# Altium PCB BRG_Chip_Tester.PcbDoc (part 1 of 2) (continued)
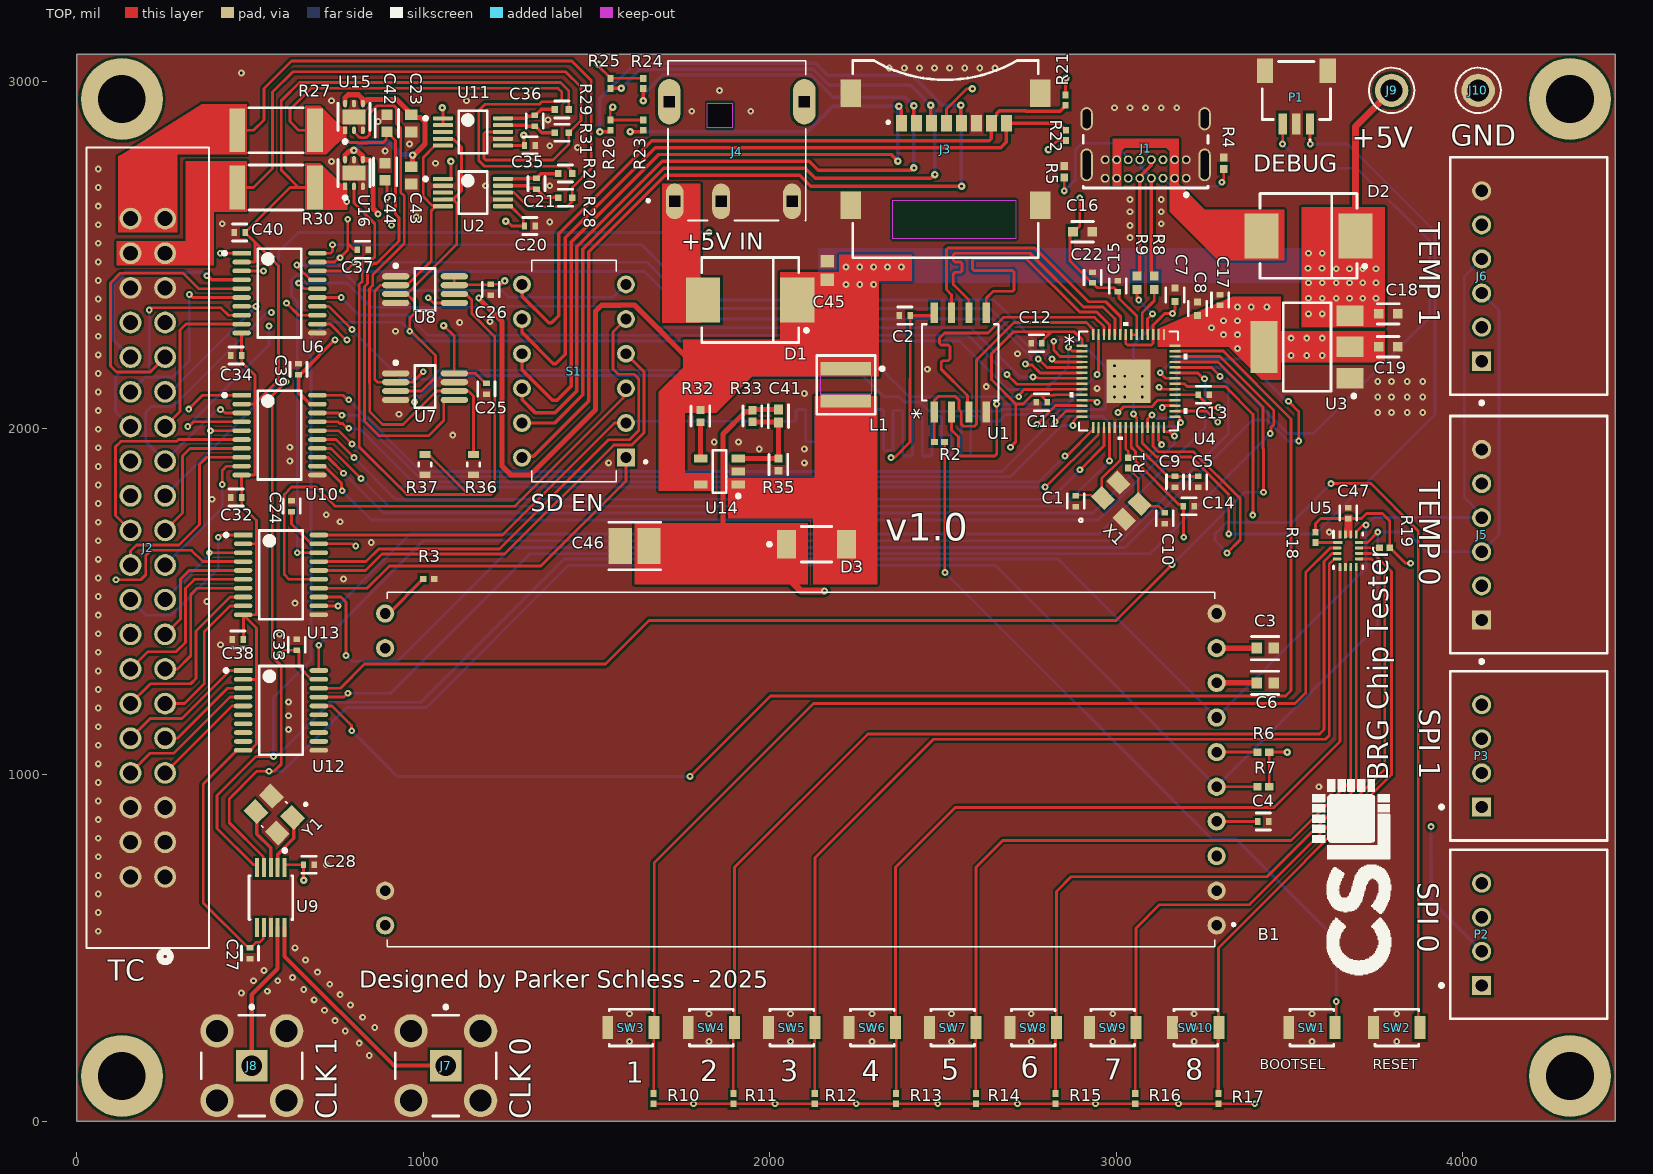
[diagram p0: TOP view]
## Footprints (in the part's own frame and the unit in brackets; to place one, negate y for a bottom-side part, rotate by r counter-clockwise, add the part's x,y. Pads: shape width x height; smd on the part's side, far side on the other; paste and mask are expansions set on the pad)
ABM8-272-T3_ABR [mm]
  rect 1.1x1.4 smd paste+0 mask+0: 1(-0.8,1.1) 2(-0.8,-1.1) 3(0.8,-1.1) 4(0.8,1.1)
  silkscreen extent -3.23,0.97 -2.97,1.23, body extent -1.35,-1.7 1.35,1.7, height 0.76
CAPC1608X87X35LL15T15 [mm] "Chip Capacitor, 2-Leads, Body 1.60x0.80mm, IPC High Density"
  rect 0.8x0.9 smd: 1(-0.625,0) 2(0.625,0)
  body extent -0.87,-0.48 0.87,0.48, height 0.87
CAPC1608X87X35NL15T15 [mm] "Chip Capacitor, 2-Leads, Body 1.60x0.80mm, IPC Medium Density"
  rect 0.9x1 smd: 1(-0.675,0) 2(0.675,0)
  body extent -0.87,-0.48 0.87,0.47, height 0.87
CONN_3020-40-0100-00_CNC [mil]
  round 63 / inner round 60 / far side round 63 hole 43 paste-99999 mask-31.5: 1(0,0) 2(0,100) 3(100,0) 4(100,100) 5(200,0) 6(200,100) 7(300,0) 8(300,100) 9(400,0) 10(400,100) 11(500,0) 12(500,100) 13(600,0) 14(600,100) 15(700,0) 16(700,100) 17(800,0) 18(800,100) 19(900,0) 20(900,100) 21(1000,0) 22(1000,100) 23(1100,0) 24(1100,100) 25(1200,0) 26(1200,100) 27(1300,0) 28(1300,100) 29(1400,0) 30(1400,100) 31(1500,0) 32(1500,100) 33(1600,0) 34(1600,100) 35(1700,0) 36(1700,100) 37(1800,0) 38(1800,100) 39(1900,0) 40(1900,100)
  silkscreen extent -245,-127 2105,227, body extent -200,-130 2100,230, height 390
DBV0005A_N [mm] "SOT23, 5-Leads, Body 3.05x1.75mm, Pitch 0.95mm, IPC Medium Density"
  rrect17% 1x0.6 smd: 1(-1.375,0.95) 2(-1.375,0) 3(-1.375,-0.95) 4(1.375,-0.95) 5(1.375,0.95)
  silkscreen extent -1.5,-1.55 0.5,1.92, body extent -1.42,-1.46 1.42,1.46, height 1.08
EAOLEDM204GGA [mm]
  round 1.337 hole 0.78: 1(-60.96,22.86) 2(-60.96,20.32) 3(-60.96,17.78) 4(-60.96,15.24) 5(-60.96,12.7) 6(-60.96,10.16) 7(-60.96,7.62) 8(-60.96,5.08) 9(-60.96,2.54) 10(-60.96,0) 11(0,0) 12(0,2.54) 19(0,20.32) 20(0,22.86)
  silkscreen extent -62.3,-1.57 -0.15,24.43, body extent -62.23,-1.57 1.26,24.43, height 2.2
FP-5006-MFG [mm]
  round 2.45 hole 1.6 paste-2539.97 mask+0: 1(0,0)
  silkscreen extent -1.66,-1.66 1.67,1.66, body extent -1.77,-1.77 1.77,1.77, height 0.25
FP-AC0402-IPC_B [mil]
  rect 24.23x22.54 smd paste+0 mask+0: 1(-16.87,0) 2(16.87,0)
  silkscreen extent -29,-27 29,27, body extent -35,-17 35,17, height 10
FP-B3U-1000P-MFG [mm]
  rect 0.8x1.7 smd paste+0 mask+0: 1(-1.7,0) 2(1.7,0)
  silkscreen extent -1.6,-1.35 1.6,1.35, body extent -2.2,-1.45 2.2,1.45, height 0.25
FP-C1608-080-0_1-MFG [mm]
  rect 0.7x0.7 smd paste+0 mask+0: 1(-0.7,0) 2(0.7,0)
  silkscreen extent -0.8,-0.75 0.8,0.75, body extent -1.15,-0.55 1.15,0.55, height 0.25
FP-CC0402-MFG [mm]
  rect 0.5x0.5 smd paste+0 mask+0: 1(-0.5,0) 2(0.5,0)
  silkscreen extent -0.53,-0.68 0.53,0.67, body extent -0.87,-0.48 0.87,0.48, height 0.25
FP-CRCW0402-e3-IPC_B [mil]
  rect 22.37x22.54 smd paste+0 mask+0: 1(-17.8,0) 2(17.8,0)
  silkscreen extent -29,-27 29,27
FP-CSRN2512-IPC_C [mil]
  rect 45.46x126.31 smd paste+0 mask+0: 1(-112.24,0) 2(112.24,0)
  silkscreen extent -78,-65 78,65, body extent -139,-69 139,69, height 10
FP-DGS0010A-MFG [mm]
  rrect33% 1.45x0.3 smd paste+0 mask+0: 1(-2.2,1) 2(-2.2,0.5) 3(-2.2,0) 4(-2.2,-0.5) 5(-2.2,-1) 6(2.2,-1) 7(2.2,-0.5) 8(2.2,0) 9(2.2,0.5) 10(2.2,1)
  silkscreen extent -3.6,-1.55 1.05,1.55, body extent -3.03,-1.8 3.03,1.8, height 0.25
FP-DRV0006A-IPC_C [mm]
  rect 0.556x0.292 smd paste+0 mask+0: 1(-0.978,0.65)
  rrect100% 0.556x0.292 smd paste+0 mask+0: 2(-0.978,0) 3(-0.978,-0.65) 4(0.978,-0.65) 5(0.978,0) 6(0.978,0.65)
  rect 1.1x1.7 smd paste-1000 mask+0: 7(0,0)
  silkscreen extent -1.93,-1.17 1,1.17, body extent -1.36,-1.1 1.36,1.1, height 0.25
FP-ERJ2RK-MFG [mm]
  rect 0.475x0.5 smd paste+0 mask+0: 1(-0.513,0) 2(0.513,0)
  silkscreen extent -0.53,-0.63 0.53,0.63, body extent -0.85,-0.38 0.85,0.38, height 0.25
FP-GJM155-0_05-MFG [mm]
  rect 0.4x0.5 smd paste+0 mask+0: 1(-0.4,0) 2(0.4,0)
  silkscreen extent -0.53,-0.63 0.53,0.63, body extent -0.7,-0.38 0.7,0.38, height 0.25
FP-GRM15-MFG [mm]
  rect 0.4x0.5 smd paste+0 mask+0: 1(-0.4,0) 2(0.4,0)
  silkscreen extent -0.53,-0.63 0.53,0.63, body extent -0.7,-0.38 0.7,0.38, height 0.25
FP-GRM32E-0_3-0_2-IPC_C [mil]
  rect 67.04x102.61 smd paste+0 mask+0: 1(-41.36,0) 2(41.36,0)
  silkscreen extent -75,-69 75,69, body extent -79,-57 79,57, height 10
FP-GRM155-0_05-IPC_A [mil]
  rect 28.16x26.48 smd paste+0 mask+0: 1(-18.84,0) 2(18.84,0)
  silkscreen extent -33,-29 33,29, body extent -41,-21 41,21, height 10
FP-GRM188-0_1-e0_2_0_5-IPC_C [mil]
  rect 29.87x31.97 smd paste+0 mask+0: 1(-24.67,0) 2(24.67,0)
  silkscreen extent -40,-33 40,33, body extent -44,-22 44,22, height 10
FP-KTR03-MFG [mm]
  rect 0.5x0.8 smd paste+0 mask+0: 1(-0.75,0) 2(0.75,0)
  silkscreen extent -0.13,-0.45 0.13,0.45, body extent -1.1,-0.55 1.1,0.55, height 0.25
FP-M-FLAT-MFG [mm]
  rect 1.4x2.1 smd paste+0 mask+0: 1(-2.2,0) 2(2.2,0)
  silkscreen extent -1.12,-1.3 3.57,1.3, body extent -3,-1.4 3,1.4, height 0.25
FP-PW0020A-IPC_C [mm]
  rect 1.355x0.341 smd paste+0 mask+0: 1(-2.775,2.925)
  rrect100% 1.355x0.341 smd paste+0 mask+0: 2(-2.775,2.275) 3(-2.775,1.625) 4(-2.775,0.975) 5(-2.775,0.325) 6(-2.775,-0.325) 7(-2.775,-0.975) 8(-2.775,-1.625) 9(-2.775,-2.275) 10(-2.775,-2.925) 11(2.775,-2.925) 12(2.775,-2.275) 13(2.775,-1.625) 14(2.775,-0.975) 15(2.775,-0.325) 16(2.775,0.325) 17(2.775,0.975) 18(2.775,1.625) 19(2.775,2.275) 20(2.775,2.925)
  silkscreen extent -4.15,-3.25 1.6,3.25, body extent -3.55,-3.35 3.55,3.35, height 0.25
FP-RF2-04A-T-00-50-G-MFG [mm]
  rect 2.3x2.3 hole 1.5 paste-2539.97 mask+0: 1(0,0)
  round 2.45 hole 1.6 paste-2539.97 mask+0: 2(-2.55,2.55) 3(2.55,2.55) 4(-2.55,-2.55) 5(2.55,-2.55)
  silkscreen extent -4.42,-3.7 3.7,3.7, body extent -3.88,-3.88 3.88,3.88, height 0.25
FP-S6B-XH-A_LF_SN-MFG [mm]
  rect 1.4x1.4 hole 0.9 paste-2539.97 mask+0: 1(6.25,-3.45)
  round 1.4 hole 0.9 paste-2539.97 mask+0: 2(3.75,-3.45) 3(1.25,-3.45) 4(-1.25,-3.45) 5(-3.75,-3.45) 6(-6.25,-3.45)
  silkscreen extent -8.7,-5.75 9.42,5.75, body extent -8.8,-5.85 8.8,5.85, height 0.25
FP-SI5351A-B-GTR-MFG [mm]
  rect 1.4x0.3 smd paste+0 mask+0: 1(-2.2,1) 2(-2.2,0.5) 3(-2.2,0) 4(-2.2,-0.5) 5(-2.2,-1) 6(2.2,-1) 7(2.2,-0.5) 8(2.2,0) 9(2.2,0.5) 10(2.2,1)
  silkscreen extent -3.57,-1.6 1.6,1.6, body extent -3,-1.7 3,1.7, height 0.25
FP-SMC-MFG [mm]
  rect 2.5x3.3 smd paste+0 mask+0: 1(-3.45,0) 2(3.45,0)
  silkscreen extent -4.25,-3.11 3.55,3.11, body extent -4.8,-3.21 4.8,3.21, height 0.25
FP-USB4085-GF-A-MFG [mm]
  rrect100% 0.9x2.4 hole 2.1 slot 0.6 at 0 deg paste-2539.97 mask+0: 1(-4.325,3.045) 2(4.325,3.045)
  rrect100% 0.9x1.7 hole 1.4 slot 0.6 at 0 deg paste-2539.97 mask+0: 3(-4.325,-0.335) 4(4.325,-0.335)
  round 0.65 hole 0.4 paste-2539.97 mask+0: A1(-2.975,4.025) A4(-2.125,4.025) A5(-1.275,4.025) A6(-0.425,4.025) A7(0.425,4.025) A8(1.275,4.025) A9(2.125,4.025) A12(2.975,4.025) B1(2.975,2.675) B4(2.125,2.675) B5(1.275,2.675) B6(0.425,2.675) B7(-0.425,2.675) B8(-1.275,2.675) B9(-2.125,2.675) B12(-2.975,2.675)
  silkscreen extent -4.57,0.89 4.57,5.37, body extent -4.87,-4.83 4.87,4.83, height 0.25
GCT_MEM2067-02-180-00-A_REVB [mm]
  rect 0.8x1.2 smd: 1(3.225,-2.625) 2(2.125,-2.625) 3(1.025,-2.625) 4(-0.075,-2.625) 5(-1.175,-2.625) 6(-2.275,-2.625) 7(-3.375,-2.625) 8(-4.475,-2.625)
  rect 1.5x2 smd: 9(-6.945,-4.825) 10(-6.945,3.375) 11(6.945,3.375) 12(6.945,-4.825)
  Keep-Out Layer region: 3.85,3.028 -5.155,3.028 -5.155,5.825 3.85,5.825
  silkscreen extent -6.8,-7.22 6.8,7.23, body extent -7.3,-7.22 7.3,7.22, height 1.8
JST-S4B-XH-A(LF)(SN)_V [mm] "Header, 4-Leads, Body 12.4x11.5mm, Pitch 2.5mm"
  rect 1.4x1.4 hole 0.9: 1(-3.75,0)
  round 1.4 hole 0.9: 2(-1.25,0) 3(1.25,0) 4(3.75,0)
  silkscreen extent -6.2,-9.2 6.2,3.07, body extent -6.2,-9.2 6.2,2.3, height 6.15
JST-SM03B-SRSS-TB_V [mm] "SMD, 3-Leads, Body 5x4.25mm, Pitch 1mm"
  rect 0.6x1.55 smd: 1(-1,2.45) 2(0,2.45) 3(1,2.45)
  rect 1.2x1.8 smd: MP1(-2.3,-1.425) MP2(2.3,-1.425)
  silkscreen extent -2.5,-2.12 2.5,3.67, body extent -2.5,-2.12 2.5,2.83, height 3.25
MSOP-MS8_M [mm] "TSOP, 8-Leads, Body 3x3mm, Pitch 0.65mm, IPC Low Density"
  oval 2x0.45 smd: 1(-2.15,0.975) 2(-2.15,0.325) 3(-2.15,-0.325) 4(-2.15,-0.975) 5(2.15,-0.975) 6(2.15,-0.325) 7(2.15,0.325) 8(2.15,0.975)
  silkscreen extent -2.27,-1.55 0.75,1.87, body extent -1.55,-1.55 1.55,1.55, height 1.1
ONSC-SOT-223-4-318H-01_A_V [mm] "SOT223, 4-Leads, Body 6.5x3.5mm, Pitch 2.3mm"
  rect 2x1.5 smd: 1(-3.15,2.3) 2(-3.15,0) 3(-3.15,-2.3)
  rect 2x3.8 smd: 4(3.15,0)
  silkscreen extent -3.55,-3.25 1.75,3.72, body extent -1.75,-3.25 1.75,3.25, height 1.8
QFN56_7X7_RPI [mil]
  rect 32x7 smd paste+0 mask+0: 1(-134,102.36) 2(-134,86.61) 3(-134,70.87) 4(-134,55.12) 5(-134,39.37) 6(-134,23.62) 7(-134,7.87) 8(-134,-7.87) 9(-134,-23.62) 10(-134,-39.37) 11(-134,-55.12) 12(-134,-70.87) 13(-134,-86.61) 14(-134,-102.36) 29(134,-102.36) 30(134,-86.61) 31(134,-70.87) 32(134,-55.12) 33(134,-39.37) 34(134,-23.62) 35(134,-7.87) 36(134,7.87) 37(134,23.62) 38(134,39.37) 39(134,55.12) 40(134,70.87) 41(134,86.61) 42(134,102.36)
  rect 7x32 smd paste+0 mask+0: 15(-102.36,-134) 16(-86.61,-134) 17(-70.87,-134) 18(-55.12,-134) 19(-39.37,-134) 20(-23.62,-134) 21(-7.87,-134) 22(7.87,-134) 23(23.62,-134) 24(39.37,-134) 25(55.12,-134) 26(70.87,-134) 27(86.61,-134) 28(102.36,-134) 43(102.36,134) 44(86.61,134) 45(70.87,134) 46(55.12,134) 47(39.37,134) 48(23.62,134) 49(7.87,134) 50(-7.87,134) 51(-23.62,134) 52(-39.37,134) 53(-55.12,134) 54(-70.87,134) 55(-86.61,134) 56(-102.36,134)
  rect 126x126 smd paste-63 mask+0: 57(0,0)
  silkscreen extent -170,-170 170,170, body extent -138,-138 138,138, height 35
RESC1005X40X25LL05T05 [mm] "Chip Resistor, 2-Leads, Body 1.00x0.50mm, IPC High Density"
  rect 0.45x0.45 smd: 1(-0.4,0) 2(0.4,0)
  body extent -0.53,-0.27 0.53,0.28, height 0.4
RESC1005X40X25LL05T10 [mm] "Chip Resistor, 2-Leads, Body 1.00x0.50mm, IPC High Density"
  rect 0.5x0.45 smd: 1(-0.375,0) 2(0.375,0)
  body extent -0.53,-0.27 0.53,0.28, height 0.4
RESC1005X40X25ML05T05 [mm] "Chip Resistor, 2-Leads, Body 1.00x0.50mm, IPC Low Density"
  rect 0.65x0.65 smd: 1(-0.5,0) 2(0.5,0)
  body extent -0.53,-0.27 0.53,0.28, height 0.4
RESC1005X40X25NL05T10 [mm] "Chip Resistor, 2-Leads, Body 1.00x0.50mm, IPC Medium Density"
  rect 0.6x0.55 smd: 1(-0.425,0) 2(0.425,0)
  body extent -0.53,-0.27 0.53,0.28, height 0.4
RSV0016A_V [mm] "QFN, 16-Leads, Body 1.8x2.6mm, Pitch 0.4mm, TI Recommended"
  rrect50% 0.7x0.2 smd: 1(-0.75,0.6)
  rrect50% 0.6x0.2 smd: 2(-0.8,0.2) 3(-0.8,-0.2) 4(-0.8,-0.6) 9(0.8,-0.6) 10(0.8,-0.2) 11(0.8,0.2) 12(0.8,0.6)
  rrect50% 0.2x0.6 smd: 5(-0.6,-1.2) 6(-0.2,-1.2) 7(0.2,-1.2) 8(0.6,-1.2) 13(0.6,1.2) 14(0.2,1.2) 15(-0.2,1.2) 16(-0.6,1.2)
  silkscreen extent -1.08,-1.33 1.07,1.45, body extent -0.92,-1.32 0.92,1.33, height 0.56
SOIC_128JVSIQ_WIN [mil]
  rect 60x21 smd paste+0 mask+0: 1(-143.5,75) 2(-143.5,25) 3(-143.5,-25) 4(-143.5,-75) 5(143.5,-75) 6(143.5,-25) 7(143.5,25) 8(143.5,75)
  silkscreen extent -110,-110 110,110, body extent -159,-105 159,105, height 85
SW_DS04-254-1L-06BK [mm]
  rect 1.308x1.308 / inner round 1.308 / far side rect 1.308x1.308 hole 0.8: 1A(-3.81,6.35)
  round 1.308 hole 0.8: 1B(3.81,6.35) 2A(-3.81,3.81) 2B(3.81,3.81) 3A(-3.81,1.27) 3B(3.81,1.27) 4A(-3.81,-1.27) 4B(3.81,-1.27) 5A(-3.81,-3.81) 5B(3.81,-3.81) 6A(-3.81,-6.35) 6B(3.81,-6.35)
  silkscreen extent -5.35,-8.12 3.1,8.12, body extent -3.93,-8.12 3.94,8.12, height 3.64
TENSILITY_54-00127 [mm]
  oval 1.308x2.616 hole 0.8 square mask+0.05: A(4.55,7.3) B(-4.05,7.3) C(1.15,7.3)
  oval 1.66x3.32 hole 0.8 square mask+0.05: SH1(-4.95,0) SH2(4.95,0)
  Keep-Out Layer board cut-out: 0.35,0.1 0.35,1.9 2.15,1.9 2.15,0.1
  silkscreen extent -5.05,-3 6.6,8.7, body extent -5.05,-3 5.05,8.7, height 7.3
WE-MAIA_4020 [mm] "SMD Power Inductor, 2-leads, body 4.1x4.1mm"
  rect 0.98x3.7 smd: 1(-1.185,0) 2(1.185,0)
  TOP keep-out region: -0.695,1.85 0.695,1.85 0.695,-1.85 -0.695,-1.85
  silkscreen extent -2.15,-2.15 2.15,2.78, body extent -2.05,-2.05 2.05,2.05, height 2.1
XTAL_FA-238_25.0000MB-K [mm]
  rect 1.2x1.4 smd: 1(-0.8,1.1) 2(-0.8,-1.1) 3(0.8,-1.1) 4(0.8,1.1)
  silkscreen extent -2.25,-0.08 1.25,1.2, body extent -1.25,-1.6 1.25,1.6, height 0.7

## Part data
B1: "OLED Displays & Accessories Charcter OLED Yellow 4x20 with glass", Manufacturer_Name="Display Visions", Manufacturer_Part_Number="EA OLEDM204-GGA", Mouser Part Number=790-EAOLEDM204GGA, Datasheet Link=https://www.lcd-module.de/fileadmin/html-seiten/eng/pdf/doma/oledm204-ae.pdf, Geometry.Height=2.4mm, Mouser Price/Stock=https://www.mouser.co.uk/ProductDetail/Display-Visions/EA-OLEDM204-GGA?qs=w%2Fv1CP2dgqpjPd2NeKBlNQ%3D%3D
C1 C5: library part CMP-2008-03802-2, "Multi-Layer Ceramic Capacitor 15pF C0G  ±1% 0402 Paper T/R", Capacitance=15pF, Case Code (Imperial)=0402, Case Code (Metric)=1005, Dielectric=C0G, Max Operating Temperature=125°C, Min Operating Temperature=-55°C, Package Quantity=10000, Tolerance=1%, Voltage=50V, Case/Package=0402, Depth=0.5mm, Height=0.5mm, Length=1mm, Mount="Surface Mount", Packaging="Tape and Reel", Radiation Hardening=No, Termination=SMD/SMT, Thickness=0.022inch, Voltage Rating=50V, Voltage Rating (DC)=50V, Width=0.02inch
C2 C4 C9 C10 C11 C12 C13 C14 C15 C16 C17 C20 C21 C24 C25 C26 C27 C28 C32 C33 C34 C35 C36 C37 C38 C39 C40 C47: library part CMP-2100-03641-2, "CAP CER 0.1UF 16V X7R 0402", Temperature Characteristic=X7R, Temperature Range Low=-55°C, Tolerance=10%, Category=Cap, ComponentLink2Description=Datasheet, ComponentLink2URL=https://search.murata.co.jp/Ceramy/image/img/A01X/G101/ENG/GRM155R71H471KA01-01A.pdf, Device Class L1="Passive Components", Device Class L3="Ceramic Capacitors", Digikey Description="CAP CER 0.1UF 16V X7R 0402", Height=0.55mm, Ipc Land Pattern Name=CAPC10050X219, Lead Free=yes, Manufacturer Part Number=GRM155R71C104KA88D, Octopart=https://octopart.com/grm155r71c104ka88d-murata-196880, RoHS=TRUE, Standoff Height=0mm
C3 C6 C42 C44: library part CMP-2006-02548-2, "Chip Multilayer Ceramic Capacitors for General Purpose, 0603, 2.2uF, X5R, 15%, 10%, 35V", Capacitance=2.2uF, Case Code (Imperial)=0603, Case Code (Metric)=1608, Dielectric=X5R, Max Operating Temperature=85°C, Min Operating Temperature=-55°C, Package Quantity=4000, Tolerance=10%, Voltage=35V, Case/Package=0603, Depth=0.8mm, Height=0.8mm, Lead Free="Lead Free", Length=1.6mm, Material=Ceramic, Mount="Surface Mount", Packaging="Tape and Reel", REACH SVHC="No SVHC", Termination=SMD/SMT, Thickness=0.035inch, Voltage Rating=35V, Voltage Rating (DC)=35V, Weight=0.000222oz, Width=0.8mm
C7 C8: library part CMP-1034-02117-2, "CAP CER 1UF 10V X5R 0402", Capacitance="1 uF", Manufacturer=YAGEO, Package=CC0402, Temperature="-55°C to +125°C", Temperature Characteristic=X5R, Temperature Coefficient=30ppm/°C, Temperature Range High=+125°C, Temperature Range Low=-55°C, Tolerance=0.2, Voltage Rating="10 V", Automotive=No, Automotive Grade=NA, Category=Cap, ComponentLink2Description=Datasheet, ComponentLink2URL=http://www.yageo.com/documents/recent/UPY-GP_NP0_16V-to-50V_16.pdf, Device Class L1="Passive Components", Device Class L2=Capacitors, Device Class L3="Ceramic Capacitors", Digikey Description="CAP CER 1UF 10V X5R 0402", Footprint Url=http://www.yageo.com/exep/pages/download/literatures/UPY-C_GEN_24.pdf, Height=0.55mm, Ipc Land Pattern Name=CAPC10050X50, Lead Free=Yes, Manufacturer Part Number=CC0402MRX5R6BB105, Material=Ceramic, Mouser Description="Multilayer Ceramic Capacitors MLCC - SMD/SMT 1.0uF 10V X5R 20%", Octopart=https://octopart.com/cc0402mrx5r6bb105-yageo-9292740, RoHS=TRUE
C18 C19 C22: library part CMP-2000-04979-3, "Multilayer Ceramic Capacitors 10μF ±10% 10V X5R SMD 0603", Capacitance=10uF, Case Code (Imperial)=0603, Case Code (Metric)=1608, Dielectric=X5R, Dielectric Material=Ceramic, Max Operating Temperature=85°C, Min Operating Temperature=-55°C, Package Quantity=1, Tolerance=10%, Voltage=10V, Case/Package=0603, Construction=Flat, Depth=0.8mm, Height=0.8mm, Lead Free="Lead Free", Length=1.6mm, Mount="Surface Mount", Number of Pins=2, Packaging="Tape and Reel", Radiation Hardening=No, REACH SVHC="No SVHC", Resistor Type=Ceramic, RoHS Compliant=Yes, Series=C, Termination=SMD/SMT, Thickness=0.035inch, Voltage Rating=10V, Voltage Rating (DC)=10V, Weight=7.1E-05oz, Width=0.8mm
C23 C43: library part CMP-2006-03713-1, Manufacturer=Kemet, Part Number=C0603C105K3RACTU
C41: library part CMP-2008-04389-2, "Chip Multilayer Ceramic Capacitors for General Purpose, 0402, 560pF, C0G, 30ppm/°C, 5%, 50V", Capacitance=560pF, Case Code (Imperial)=0402, Case Code (Metric)=1005, Dielectric=C0G, Max Operating Temperature=125°C, Package Quantity=50000, Tolerance=5%, Voltage Rating (DC)=50V, Height=0.5mm, Length=1mm, Mount="Surface Mount", Packaging="Tape and Reel", Radiation Hardening=No, Termination=SMD/SMT, Thickness=0.022inch, Width=0.02inch
C45: library part CMP-2006-03238-1, Manufacturer=Kemet, Part Number=C0603C475K8PACTU
C46: library part CMP-2000-06362-2, "CAP CER 47UF 16V X5R 1210", Capacitance=47uF, Case Code (Imperial)=1210, Case Code (Metric)=3225, Dielectric=X5R, Min Operating Temperature=-55°C, Package Quantity=1, Tolerance=10%, Voltage=16V, Case/Package=1210, Length=3.2mm, Packaging="Cut Tape", Radiation Hardening=No, REACH SVHC="No SVHC", RoHS Compliant=Yes, Voltage Rating=16V, Voltage Rating (DC)=16V
D1 D2: library part CMP-2000-05097-3, "DIODE SCHOTTKY 40V 5A SMC", Peak Reverse Current=0.5mA, Reverse Voltage=40V, Temperature Range High=+150°C, Temperature Range Low=-55°C, Automotive=No, Automotive Grade=NA, Category=Diode, ComponentLink2Description=Datasheet, Digikey Description="DIODE SCHOTTKY 40V 5A SMC", Footprint Url=https://www.diodes.com/assets/Package-Files/SMC.pdf, Lead Free=Yes, Manufacturer Part Number=B540C-13-F, Mouser Description="Diode: Schottky rectifying; SMD; 40V; 5A; SMC; Package: reel, tape", Octopart=https://octopart.com/b540c-13-f-diodes+inc.-325873, RoHS=TRUE
D3: library part CMP-2000-06115-2, "DIODE SCHOTTKY 30V 2A MFLAT", Average Rectified Current=2A, Forward Voltage=370mV, Max Operating Temperature=125°C, Max Repetitive Reverse Voltage (Vrrm)=30V, Max Reverse Leakage Current=3mA, Min Operating Temperature=-40°C, Package Quantity=1, Peak Non-Repetitive Surge Current=40A, Contact Plating=Tin, Element Configuration=Single, Forward Current=2A, Max Reverse Voltage (DC)=30V, Mount="Surface Mount", Number of Pins=2, Peak Reverse Current=3mA, Radiation Hardening=No
J1: library part CMP-196119-000001-2, "CONN RCPT USB2.0 TYPE C 24POS RA", Contact Material="Copper Alloy", Contact Plating=Gold, Gender=Receptacle, Number of Positions=16, Orientation="Right Angle", USB Standard="USB 2.0"
J2: "No Description Available", Mfr_Name="CNC Tech", RefDes=RefDes, Type=Type
J3: "Micro SD Memory Card ConnectorSMT, Hinged, 1.80mm Profile", Package=None, Availability=Unavailable, MP=MEM2067-02-180-00-A_REVB, Price=None
J4: "Connector, dc jack 5.5x2.1 mm, PCB mount, 90 degrees, silver plated, thru hole", Package=None, Availability="In Stock", Check_prices=https://www.snapeda.com/parts/54-00127/Tensility+International+Corp/view-part/?ref=eda, MF="Tensility International Corp", MP=54-00127, Price=None, Purchase-URL=https://pricing.snapeda.com/search?q=54-00127&ref=eda, SnapEDA_Link=https://www.snapeda.com/parts/54-00127/Tensility+International+Corp/view-part/?ref=snap
J5 J6: library part CMP-17439-000165-2, "CONN HEADER R/A 6POS 2.5MM", Contact Resistance=20mR, Flammability Rating="UL94 V-0", Max Current Rating=3A, Max Voltage Rating (AC)=250V, Contact Finish - Mating=TIN, Contact Type="Male Pin", Fastening Type=Detent, Housing Material=Polyamide, Lead Pitch=2.5mm, Length=17.4mm, Mount="Through Hole", Number of Contacts=6, Number of Positions=6, Orientation="Right Angle", Termination=Solder, Voltage Rating (AC)=250V
J7 J8: library part CMP-42753-000002-1, "CONN SMA JACK STR 50 OHM PCB"
J9 J10: library part CMP-19636-000022-1, "PC TEST POINT COMPACT BLACK", Color=Black, Flammability Rating="UL94 V-0", Package Quantity=100, Body Material=Bronze, Contact Material=Bronze, Contact Plating=Tin, Height=0.35inch, Hole Diameter=1.6mm, Housing Color=Black, Inside Diameter=1.78mm, Insulation Material=Nylon, Lead Free="Lead Free", Length=8.89mm, Material=Nylon, Mount=PCB, Number of Ports=1, Orientation=Straight, Outside Diameter=3.18mm, Packaging=Bulk, Plating=Silver, REACH SVHC="No SVHC", RoHS Compliant=Yes, Series=THM
L1: library part CMP-03913-81421872-2, "784383560056 Inductor, Aec-Q200, 560Nh, Shld, 8.5A Rohs Compliant: Yes", Ambient Temperature Range High=85°C, Ambient Temperature Range Low=-40°C, Current Rating=8.5A, DC Resistance (DCR)=7mΩ, Inductance=560nH, Max Operating Temperature=125°C, Height=2.1mm, Length=4.1mm, Min Operating Temperature=-40°C, NexarPartId=81421872, Number of Pins=2, RoHS=Compliant, Width=4.1mm
P1: library part CMP-2000-07077-1, "Male Header, Pitch 1 mm, 1 x 3 Position, Height 2.9 mm, -25 to 85 degC, RoHS, Tape and Reel", Manufacturer=JST, Package Description="Male Header, Pitch 1 mm, 1 x 3 Position, Height 2.9 mm", Package Reference=SM03B-SRSS-TB, Datasheet URL=https://datasheet.ciiva.com/26894/getdatasheetpartid-708885-26894671.pdf, Datasheet Version=11/2010, Manufacturer URL=http://www.jst.com/home2.html, Mounting Technology=SurfaceMount, No of Positions=3, Pitch=1mm, Style/Orientation=RightAngleHeader/Plug, Termination=Crimp, Type=ShroudedHeader
P2 P3: library part CMP-2100-03683-1, "XH Series Disconnectable Crimp Style Connector, Pitch 2.5 mm, 1 x 4 Position, Height 6.1 mm, Tail Length 3.4 mm, -25 to 85 degC, RoHS, Bulk", ComponentLink1Description="Manufacturer URL", ComponentLink1URL=http://www.jst.com/home2.html, ComponentLink2Description=Datasheet, ComponentLink2URL=http://www.jst-mfg.com/product/pdf/eng/eXH.pdf, DatasheetVersion=May-16, PackageDescription="Male Header, Pitch 2.5 mm, 1 x 4 Position, Height 6.1 mm, Tail Length 3.4 mm", PackageReference=S4B-XH-A(LF)(SN)
R1 R2: library part CMP-2002-07865-1, Manufacturer=Yageo, Part Number=RC0402FR-131KL
R3: library part CMP-2002-00300-1, Manufacturer="Vishay Dale", Part Number=CRCW0402910KFKED
R4 R5: library part CMP-2002-07753-1, Manufacturer="Yageo / Phycomp", Part Number=RC0402FR-075K1L
R6 R7: library part CMP-2002-07567-1, Manufacturer="Yageo / Phycomp", Part Number=RC0402FR-072K2L
R8 R9: library part CMP-2002-00831-1, Manufacturer=Panasonic, Part Number=ERJ-2RKF27R4X
R10 R11 R12 R13 R14 R15 R16 R17 R18 R19 R21 R22 R23 R24 R25 R26: library part CMP-2002-07353-1, Manufacturer="Yageo / Phycomp", Part Number=RC0402FR-0710KL
R20 R28 R29 R31: library part CMP-2002-00622-4, "RES SMD 10 OHM 1% 1/10W 0402", Manufacturer=Panasonic, Power Rating=0.1W, Temperature Range High=+155°C, Temperature Range Low=-55°C, Tolerance=1%, Automotive Grade="Grade 0", ComponentLink2Description=Datasheet, Digikey Description="RES SMD 10 OHM 1% 1/10W 0402", Footprint Url=https://industrial.panasonic.com/cdbs/www-data/pdf/RDA0000/DMA0000COL17.pdf, Lead Free=Yes, Manufacturer Part Number=ERJ-2RKF10R0X, Mouser Description="Thick Film Resistors - SMD 0402 10.0ohms 1% Tol AEC-Q200", Octopart=https://octopart.com/erj-2rkf10r0x-panasonic-55404982, RoHS=TRUE, Series=ERJ
R27 R30: library part CMP-26527-001998-1, "Res Thick Film 2512 40mΩ 1% 2W ±200ppm/°C Molded SMD Plastic T/R", Case/Package=2512, Max Operating Temperature=155°C, Min Operating Temperature=-55°C, Package Quantity=4000, Resistance=40mR, Resistor Type="Thick Film", Temperature Coefficient=200ppm/°C, Tolerance=1%, Height=0.028inch, Length=0.25inch, Mount="Surface Mount", Number of Terminations=2, Packaging="Tape and Reel", RoHS Compliant=Yes, Series=CSRN, Width=0.124inch
R32 R35: library part CMP-2002-08135-2, "RES SMD 10K OHM 1% 1/16W 0402", Case Code (Imperial)=0402, Case Code (Metric)=1005, Max Power Dissipation=63mW, Package Quantity=10, Resistance=10kR, Tolerance=1%, Features="Automotive AEC-Q200", Height=0.35mm, Lead Free="Lead Free", Mount="Surface Mount", Number of Terminations=2, Packaging="Tape and Reel", Power Rating=63mW, Termination=SMD/SMT, Weight=2.3E-05oz, Width=0.02inch
R33: library part CMP-03412-015018-2, "RES 86.6kΩ ±1% 0.063W 0402", Case Code (Imperial)=0402, Case Code (Metric)=1005, Max Operating Temperature=155°C, Max Power Dissipation=63mW, Min Operating Temperature=-55°C, Power Rating=62.5mW, Resistance=86.6kR, Resistor Type="Thick Film", Voltage Rating=50V, Case/Package=0402, Features="Moisture Resistant", Number of Terminations=2, Packaging="Tape and Reel", RoHS Compliant=Yes, Weight=2.3E-05oz, Width=0.5mm
R36 R37: library part CMP-08839-030882-1, "Res Thick Film 0603 3kΩ 1% 0.1W ±100ppm/°C Automotive Paper T/R", Case Code (Imperial)=0603, Case Code (Metric)=1608, Max Operating Temperature=155°C, Max Power Dissipation=100mW, Min Operating Temperature=-55°C, Package Quantity=5000, Resistance=3kR, Resistor Type="Thick Film", Temperature Coefficient=100ppm/°C, Tolerance=1%, Case/Package=0603, Features="Automotive AEC-Q200", Height=0.022inch, Length=0.063inch, Number of Terminations=2, Packaging="Tape and Reel", RoHS Compliant=Yes, Series=KTR, Width=0.031inch
S1 Y1: Package=None, Availability=Unavailable, Price=None
  S1: MP=DS04-254-1L-06BK
  Y1: MF="{'manufacturer': u'Epson'}", MP="FA-238 25.0000MB-K"
SW1 SW2 SW3 SW4 SW5 SW6 SW7 SW8 SW9 SW10: library part CMP-2100-03586-2, "SWITCH TACTILE SPST-NO 0.05A 12V", Contact Resistance=100mR, Current Rating=50mA, Insulation Resistance=100MR, Max Voltage Rating (DC)=12V, Operating Force=1.5N, Actuator Type=Standard, Contact Material=Silver, Height=1.2mm, Lead Free="Lead Free", Length=4mm, Max Current Rating=50mA, Switch Travel=0.15mm, Termination=SMD/SMT, Voltage Rating (DC)=12V, Weight=0.000776oz, Width=3mm
U1: "No Description Available", Mfr_Name=Winbond, RefDes=RefDes, Type=Type
U2 U11: library part CMP-04910-000017-1, "IC CURRENT MONITOR 1% 10MSOP", Ambient Temperature Range High=+85°C, Ambient Temperature Range Low=-40°C, Manufacturer="Texas Instruments", Min Supply Voltage=3V, Temperature="-40°C to +125°C", ComponentLink2Description=Datasheet, ComponentLink2URL=http://www.ti.com/lit/ds/symlink/ina220.pdf, Device Class L3=unset, Digikey Description="IC CURRENT MONITOR 1% 10MSOP", Height=1.1mm, Lead Free=Yes, Manufacturer Part Number=INA220AIDGST, Mouser Description="Current & Power Monitors & Regulators Bi-Direct Current Power Monitor", Number Of Outputs=1, Octopart=https://octopart.com/ina220aidgst-texas+instruments-10682915, Standoff Height=0.05mm
U3: library part CMP-1679-00010-1, "Low-Dropout Positive Fixed Voltage Regulator, 1 A, 3.3 V Output Voltage, 0 to 125 degC, 4-Pin SOT-223 (318H-01), Pb-Free, Tape and Reel", Max Operating Temperature="155 degC", Package Quantity=5000, Resistance="220 kohm", Type (Resistor)="Thick Film", ComponentLink1Description="Manufacturer URL", ComponentLink1URL=http://www.onsemi.com/, ComponentLink2URL=http://www.onsemi.com/pub_link/Collateral/NCP1117-D.PDF, Height="0.45 mm", Length="1.55 mm", PackageDescription="4-Pin Small Outline Transistor, Body 6.5 x 3.5 mm, Pitch 2.3 mm", PackageReference=SOT-223-4-318H-01_A, Packaging="Tape and Reel", REACH SVHC=Unknown, RoHSCompliant=true, Weight="7.1E-05 oz", Width="0.85 mm"
U4: "No Description Available", Mfr_Name="Raspberry Pi", RefDes=RefDes, Type=Embedded
U5: library part CMP-0314-00021-2, "Low-Voltage 8-Bit I2C and SMBus I/O Expander, 1.65 to 5.5 V, -40 to 85 degC, 16-pin UQFN (RSV), Green (RoHS & no Sb/Br)", 5V Tolerant I/O=Yes, Manufacturer="Texas Instruments", Max Frequency(kHz)=400, # of I/Os=8, Code_JEDEC=MO-288*, ComponentLink1Description=Datasheet, ComponentLink1URL=http://www.ti.com/general/docs/lit/getliterature.tsp?genericPartNumber=TCA6408A&fileType=pdf, ComponentLink2Description="Package Specification", ComponentLink2URL=http://www.ti.com/litv/pdf/mpqf115g, Configuration Registers=Yes, DatasheetVersion=SCPS192C, Eco-Plan="Green (RoHS & no Sb/Br)", fSCLK(Max)(MHz)=400, I2C Address="0100 00x", Interrupt Output=Yes, Low Power=Yes, Mounting Technology="Surface Mount", No. of Outputs=8, PackageDescription="16-Leads Plastic Quad Flatpack No-Lead, 2.6 x 1.8 x 0.5 mm Body, 0.4 mm Pitch", PackageReference=RSV0016A, PackageVersion="revD, Dec-2011", PartNumber=TCA6408ARSVR, Push-Pull I/O Type=Yes, Reset Input=Yes, SubFamily="I2C IO Expander", Vcc range(V)="1.65 to 5.5", VCC(Max)(V)=5.5, VCC(Min)(V)=1.65
U6 U10 U12 U13: library part CMP-2000-04956-2, "IC TRNSLTR BIDIRECTIONAL 20TSSOP", Low Level Output Current=50mA, Max Operating Temperature=85°C, Max Supply Voltage=5.5V, Min Supply Voltage=1.2V, Nominal Supply Current=8uA, Package Quantity=1, Quiescent Current=3uA, Height=1.15mm, Lead Free="Lead Free", Number of Inputs=8, Number of Pins=20, Output Type=Voltage, Packaging="Tape and Reel", Propagation Delay=4.8ns, Supply Current=8uA, Termination=SMD/SMT
U7 U8: library part CMP-0188-00110-2, "8-Bit Single I2C Digital POT with Non-Volatile Memory, 8-pin MSOP, Extended Temperature", ComponentLink1Description="Manufacturer URL", ComponentLink1URL=http://www.microchip.com/, ComponentLink2Description=Datasheet, ComponentLink2URL=http://ww1.microchip.com/downloads/en/DeviceDoc/22107a.pdf, ComponentLink3Description="Package Specification", ComponentLink3URL=http://www.microchip.com/stellent/groups/techpub_sg/documents/packagingspec/en012702.pdf, DatasheetVersion="revA, Nov-2008", PackageDescription="8-Lead Plastic Micro Small Outline Package (MS) [MSOP]", PackageReference=MSOP-MS8, PackageVersion="revBB, Aug-2009", RevisionNote="URLs added."
U9: library part CMP-08072-000001-1, "IC CLK GENERATOR 200MHZ 10MSOP", Case/Package=MSOP, Max Frequency=200MHz, Max Operating Temperature=85°C, Min Operating Temperature=-40°C, Operating Supply Current=22mA, Operating Supply Voltage=3.3V, Package Quantity=2500, Input=Crystal, Max Duty Cycle=55%, Mount="Surface Mount", Number of Circuits=2, Number Of Outputs=3, Number of Pins=10, Packaging="Tape and Reel", PLL=Yes, RoHS Compliant=Yes, Series=MultiSynth™
U14: library part CMP-0069-01217-3, "520kHz/1.6MHz - Space-Efficient Boost and SEPIC DC-DC Regulator, 5-pin SOT-23, Pb-Free", Manufacturer="Texas Instruments", PackageTopMarking=SLEB*XTT, PowerWise=N, Supplier Part Number 1=926-LM2735XMF/NOPB, ComponentLink1Description="Datasheet URL", ComponentLink1URL=http://www.ti.com/general/docs/lit/getliterature.tsp?genericPartNumber=LM2735&fileType=pdf, CompType=Switcher, PackageDescription="Molded SOT-23, .115 x .063 x .040 in Body, 5 Lead, .0375 in Pitch", PackageReference=DBV0005A, PinCount=5, RoHS=Y, Supplier 1=Mouser
U15 U16: library part CMP-04917-000172-1, "IC REG LINEAR POS ADJ 1A 6WSON"
X1: "No Description Available", Mfr_Name=Abracon, RefDes=RefDes, Type=Crystals

## Free pads (board coordinates)
  round 236.22 hole 137.8: 2(130,130) 2(130,2950) 2(4310,130) 2(4310,2950)

## Via types
v1: diameter 19.68, hole 7.87, TOP to BOT, 358 vias
v2: diameter 21.65, hole 7.87, TOP to BOT, 27 vias

## Nets (pads, with @x,y where several pads share a name; then routed paths per layer and width w, separated by ;. In a path a pad name is that pad's centre, name@x,y a point inside that pad or via, vN(x,y) a via of type N, cw(c..) or ccw(c..) an arc to the next point about the centre after c; other vN are vias at no path point)
+1V1: C7.1 C9.2 C10.2 U4.23 U4.45 U4.50 | length 931.1
  TOP w8: U4.50@3027.76,2270 3027.76,2244.69 3032.44,2240 3101.81,2240 3106.5,2244.69 3106.5,2297.24 3140.29,2331.03 v1(3162.73,2331.03) 3162.73,2334.2 3170.02,2341.49 C7.1@3170.02,2369.25 ; v1(3050,2041.16) 3050,2039.25 3059.25,2030 3059.25,1950.56 3149.07,1860.75 C9.2@3237.1,1860.75
  BOT w8: v1(3050,2041.16) 3050,2240.74 3140.29,2331.03 v1(3162.73,2331.03)
+3V3: B1.3 B1.4 B1.12 B1.20 C2.2 C4.1 C8.2 C11.2 C12.2 C13.2 C14.2 C15.2 C16.2 C17.2 C19.1 C20.1 C22.2 C24.1 C25.1 C26.1 C28.1 C33.1 C35.1 C37.1 C39.1 C47.1 J3.4 J5.5 J6.1 J6.5 R6.2 R7.2 R10.2 R11.2 R12.2 R13.2 R14.2 R15.2 R16.2 R17.2 R18.1 R19.2 R21.2 R22.2 R23.2 R24.2 R25.2 R26.2 U1.8 U2.1 U2.6 U3.2 U3.4 U4.1 U4.10 U4.22 U4.33 U4.42 U4.43 U4.44 U4.48 U4.49 U5.14 U5.15 U6.19 U7.8 U8.7 U8.8 U9.1 U10.19 U11.1 U11.2 U11.6 U12.19 U13.19 | length 7679
  TOP w7: U4.44@3122.24,2270 U4.43@3137.99,2270
  TOP w8: v1(586.74,1346.95) 599.04,1359.25 C33.1@635,1359.25 641,1359.25 641,1311.69 677.69,1275 U12.19@698.53,1275 ; U9.1@599.37,731.61 599.37,738.09 601.28,740 C28.1@654.25,740 654.63,739.63 654.63,695.32 v2(655,694.95) ; C24.1@620,1759.25 620,1723.88 677.69,1666.18 795.12,1666.18 801.31,1660 v1(805,1660) ; U6.19@694.27,2479.57 744.21,2479.57 756.84,2492.19 v1(760,2492.19) ; v1@758.21,2493.99 761.79,2493.99 782,2514.19 782,2532.5 ; v1(782,2603) 782,2532.5 ; C37.1@809.25,2515 799.5,2515 782,2532.5 ; v2(1055,2925) 1056.77,2923.23 U11.2@1056.77,2874.69 ; U2.1@1056.77,2719.37 1078.09,2719.37 1080,2721.28 1079.68,2721.28 1079.68,2769.68 v2(1080,2770) ; v2(1058.72,2296.28) 1089.65,2265.35 U7.8@1089.65,2158.39 1151.13,2158.39 1180.16,2129.36 C25.1@1182.13,2129.36 ; U8.8@1089.65,2438.39 U8.7@1089.65,2412.8 1091.12,2414.27 1193.52,2414.27 C26.1@1195,2415.75 1225.75,2415.75 v2(1235,2425) ; U2.6@1229.99,2640.63 1252.63,2640.63 1288.3,2604.97 1288.3,2587.36 C20.1@1292.17,2583.49 1255.37,2583.49 1241.9,2596.96 v2(1238.21,2596.96) ; U11.6@1229.99,2815.63 1230.39,2816.02 1291.78,2816.02 C35.1@1292.17,2816.41 1291.09,2817.5 1291.09,2843.91 v2(1290,2845) ; v2(1505,3050) 1505,3045.75 1540,3010.75 R25.2@1540,3009.76 R24.2@1635,3009.76 ; v2(1547.01,2927.01) 1540,2920 R26.2@1540,2889.76 R23.2@1635,2889.76 ; R10.2@1665,50.24 3399.76,50.24 v1(3400,50) ; v1(2350,1915) 2352.24,1917.24 2362.47,1917.24 2405.24,1960 2405.24,2142.49 2405.75,2143 C2.2@2405.75,2325 ; J3.4@2510.08,2880 2510.08,2920.95 2569.13,2980 v2(2585,2980) ; v1(2695,1945) 2695,1945.89 2710,1960.89 2710,2070.1 ; C12.2@2785.75,2245 2785.75,2251.61 2812.5,2278.36 ; C11.2@2800.75,2075 2800.75,2076.97 2782.72,2095 ; v2(2804.14,2804.14) 2830.24,2830.24 R22.2@2855,2830.24 ; R21.2@2854,2961.76 2854,3009 v2(2855,3010) ; v1(2895,2665) 2895,2584 2887.97,2576.97 2885.15,2576.97 2866.96,2558.77 2866.96,2482.52 2926.16,2423.32 2926.16,2423.13 2930.03,2419.25 2933.97,2419.25 2937.84,2415.38 2937.84,2413.41 2945.78,2405.47 2993.44,2405.47 2998.81,2400.09 2998.81,2398.13 3002.68,2394.25 C15.2@3004.65,2394.25 3008.54,2390.38 3008.54,2374.46 3059.25,2323.75 U4.48@3059.25,2270 U4.49@3043.5,2270 ; U4.10@2901.63,2096.63 2824.28,2096.63 2823.49,2095.84 2819.62,2095.84 2818.78,2095 2782.72,2095 ; U4.1@2901.63,2238.36 2902,2238.36 2902,2255.5 2879.14,2278.36 2812.5,2278.36 ; U4.22@3043.5,2002 3043.5,1945.1 3055.82,1932.78 3055.82,1904.84 3180.64,1780.02 3190.38,1780.02 3194.25,1776.15 3194.25,1685.75 v1(3195,1685) ; U4.33@3169.63,2096.63 C13.2@3236.87,2096.63 3236.87,2094.66 3271.54,2060 v1(3295,2060) ; B1.4@3290,865 C4.1@3409.25,865 ; R7.2@3441.73,965 R6.2@3441.73,1065 v2@3489.45,1065 ; v2@3490,1064.45 v2@3489.45,1065 ; v2(3493.6,1065) v2@3489.45,1065 ; R18.1@3575,1699.76 3575,1724.25 3590,1739.25 C47.1@3670,1739.25 ; U5.15@3661.65,1693.62 3661.65,1712 3670,1720.35 ; U5.14@3677.4,1693.62 3677.4,1712 3670,1719.4 3670,1720.35 ; v1(3850,1610) 3835.75,1610 3790.75,1655 R19.2@3789.76,1655 3789.76,1732.5 3768.26,1754 3723,1754 3708.25,1739.25 C47.1@3670,1739.25 ; 2710,2070.1 2731.08,2070.1 2736.9,2075.92 2756.82,2095.84 2781.87,2095.84 2782.72,2095 ; 2710,2070.1 2640,2140.1 2640,2215 2703.36,2278.36 2812.5,2278.36 ; 3670,1720.35 C47.1@3670,1739.25
  TOP w10: U10.19@694.27,2069.57 673.43,2069.57 640,2102.99 C39.1@640,2154.25 642.87,2157.13 647.13,2157.13 655.87,2165.87 v1(745,2255) ; C2.2@2405.75,2325 2469.5,2325 2475,2330.5 U1.8@2475,2333.5
  PWR w8: v1(586.74,1346.95) 720.88,1346.95 738.93,1365 B1.12@890,1365
  BOT w8: v2(1058.72,2296.28) v2@1058.72,2302.22 ; v2(1547.01,2927.01) v2@1548.56,2927.01 ; v2@2804.14,2798.5 v2(2804.14,2804.14)
  other v1: 1780,50 2015,50 2250,50 2485,50 2715,50 2940,50 3180,50 3505,2210 3550,2210 3595,2210 3350,2230 3505,2260 3550,2260 3595,2260 3310,2270 3350,2270 3275,2290 3310,2310 3350,2310 3350,2350 3390,2350 3435,2350
+5V: C18.1 C23.2 C43.2 C45.2 D1.1 D2.1 J9.1 L1.1 R32.2 U3.3 U14.5 U15.4 U15.6 U16.4 U16.6 | length 3447
  TOP w8: D1.1@2079.38,2370 D1.1@2079.38,2428.43 ; U3.3@3675,2325 3752.44,2325 C18.1@3757.44,2330
  TOP w15: U16.6@774.41,2775 774.41,2787.91 786.95,2800.45 809.55,2800.45 825.59,2784.41 U16.4@825.59,2775 844,2775 855,2764 855,2633.99 867.16,2621.83 869.5,2619.49 v1(869.5,2618.22) ; U15.6@774.41,2937.01 774.41,2953.67 783.2,2962.46 812.54,2962.46 825.59,2949.41 U15.4@825.59,2937.01 837.69,2949.11 923.21,2949.11 954.78,2917.53 954.78,2912.85 963.03,2904.61 C23.2@965,2904.61 972.76,2896.85 992.52,2896.85 1005,2884.37 1005,2820 v2@969.07,2784.07 ; v2@800.05,2800.45 v2@800.05,2801.77 ; C43.2@965,2754.61 969.07,2758.67 v2@969.07,2784.07 ; v2(969.07,2788.54) v2@969.07,2784.07 ; v1(1160.32,2375.84) 1160.32,2374.57 1227,2307.9 1227,1891 1253,1865 1309,1865 1497,2053 1497,2337.5 1514.5,2355 1568.08,2355 1568.33,2355.25 1609.75,2355.25 1789.07,2175.93
  TOP w20: D2.1@3690.83,2555 3690.83,2870.83 J9.1@3795,2975
  PWR w20: v1(869.5,2618.22) 917.95,2618.22 v1(1160.32,2375.84)
  BOT w15: v2(800.05,2801.77) 800.91,2800.91 824.34,2824.34 901.46,2824.34 935.99,2789.81 967.79,2789.81 v2(969.07,2788.54)
  other v1: 3555,2330 3595,2330 3555,2375 3595,2375 3635,2375 3673.33,2375 3711.67,2375 3750,2375 2220,2415 2260,2415 2300,2415 3555,2420 3595,2420 3635,2420 3673.33,2420 3711.67,2420 3750,2420 3635,2460 3673.33,2460 3711.67,2460 3750,2460 3553.98,2461.77 3593.98,2461.77 2220,2465 2260,2465 2300,2465 2340,2465 2380,2465 3555,2505 3595,2505
+12V: B1.9 C3.1 C41.2 C46.1 D3.2 R33.2 | length 1915.6
  TOP w15: 1865,1696.86 1865,1983 1929.33,2047.33 1946.23,2047.33 1950,2051.1 R33.2@1950,2051.87 1951.97,2053.84 C41.2@2025,2053.84 ; B1.9@3290,1365 C3.1@3402.44,1365
  TOP w20: 2048.39,1571.61 2090,1530 v1(2158.39,1530)
  PWR w20: v1(2158.39,1530) 2323.39,1365 B1.9@3290,1365
+VCORE: J2.39 J2.40 R27.1 R28.1 U2.8 | length 1902.3
  TOP w8: R27.1@462.76,2841 R27.1@481.49,2859.73 ; R27.1@462.76,2860 481.49,2860 510,2860 540,2890 540,2980 620,3060 1428.5,3060 1485,3003.5 1485,2749.47 1430.18,2694.65 R28.1@1430.18,2665 1430.18,2655 1414.69,2639.51 1302.49,2639.51 1262,2680 U2.8@1229.99,2680
  PWR w10: J2.40@155,2605 J2.39@255,2605
+VCORE_RAW: C42.1 R20.1 R27.2 U7.5 U15.1 | length 3120.3
  TOP w8: R27.2@668.51,2909.15 668.51,2878.73 R27.2@687.24,2860 640,2860 615,2885 615,2920 675.96,2980.96 1389.04,2980.96 1400,2970 1400,2950 1392.5,2942.5 1342.5,2942.5 1335,2935 1178.16,2935 1160,2916.84 1160,2772.47 1176.47,2756 1415.02,2756 1430.18,2740.84 R20.1@1430.18,2735 ; U15.1@774.41,2860 774.41,2838.59 788,2825 810.49,2825 812.44,2823.05 838.74,2823.05 840.69,2825 885,2825 893.08,2833.08 893.08,2852.96 895,2854.88 919.78,2830.1 919.78,2618 930.33,2607.45 930.33,2540.04 865.29,2475 856,2475 839,2458 839,2417.56 830,2408.56 830,2125.06 830.29,2124.77 830.29,2021.21 873.5,1978 1015,1978 1059,2022 1059,2081.61 U7.5@1089.65,2081.61
+VIO/CLK: J2.37 J2.38 R30.1 R31.1 U11.8 | length 1852
  TOP w8: R30.1@462.76,2695 510,2695 565,2750 565,2970 624,3029 1411,3029 1455,2985 1455,2887.72 1426.02,2858.75 1425.53,2858.75 1420.18,2853.4 1420.18,2820.18 1374,2774 1179.69,2774 1175,2778.69 1175,2850.31 1179.69,2855 U11.8@1229.99,2855
+VIO/CLK_RAW: C27.1 C32.1 C34.1 C38.1 C40.1 C44.1 R29.1 R30.2 U6.2 U6.10 U8.5 U9.7 U10.2 U10.10 U12.2 U12.10 U13.2 U13.10 U16.1 | length 5077.4
  TOP w8: U10.2@475.73,2069.57 513,2069.57 514,2070.57 ; U6.10@475.73,2274.84 475,2274.84 475,2212.75 475.75,2212 475.75,2191 514,2152.75 514,2070.57 ; U6.2@475.73,2479.57 513,2479.57 514,2480.57 514,2536.75 ; U12.2@480,1275 518.68,1275 ; U13.2@480,1666.18 518,1666.18 519,1667.18 ; C38.1@480.75,1390 U13.10@480.75,1460.71 ; C27.1@494.25,500.75 365,630 365,972.85 457.32,1065.16 457.32,1066.1 461.49,1070.28 500.84,1070.28 518.68,1088.12 518.68,1275 ; C27.1@500,500.75 501.97,500.75 517.16,515.94 527.2,515.94 538.41,527.15 538.41,556.48 U9.7@540.32,558.39 U9.7@540.16,558.23 ; R30.2@691.97,2655 687.24,2659.73 R30.2@687.24,2695 640,2695 ; U16.1@774.41,2697.99 774.41,2662.04 779.16,2657.3 v1(779.16,2654.13) v1@778.29,2655 ; C44.1@895,2702.44 v1(895,2665) 895,2621.57 908.5,2608.07 v1(908.5,2585.84) ; v1(1014.13,2376.57) 1015.11,2376.57 1030.07,2361.61 U8.5@1089.65,2361.61 ; R29.1@1420.18,2920 1420.18,2973.82 1396,2998 643,2998 590,2945 590,2745 640,2695 ; U13.10@480.75,1460.71 518.68,1422.77 518.68,1275 ; U13.10@480.75,1460.71 U13.10@480,1461.46 518,1461.46 519,1462.46 519,1667.18 ; 514,2070.57 582.34,2138.91 582.34,2468.4 514,2536.75 ; 514,2070.57 514,1865.84 513,1864.84 U10.10@475.73,1864.84 475.73,1833 C32.1@475.75,1800 475.75,1777.25 519,1734 519,1667.18 ; 514,2536.75 C40.1@485.75,2565 485.75,2566.97 489.62,2570.84 491.59,2570.84 615.75,2695 640,2695
  PWR w10: v1(779.16,2654.13) 781.78,2654.13 792.64,2665 v1(895,2665) ; v1(908.5,2585.84) 908.5,2484.17 1014.13,2378.54 v1(1014.13,2376.57)
CLK_0: J7.1 U9.10 | length 679.1
  TOP w12: U9.10@599.37,558.39 599.37,475.63 915,160 J7.1@1065,160
CLK_1: J8.1 U9.9 | length 429.3
  TOP w12: J8.1@505,160 505,365 579.69,439.69 U9.9@579.69,558.39